# Altium PCB testjig-v1.PCBDOC (part 2 of 3)
Units mm, origin at the board's own origin, x right, y up, seen from the top; angles counter-clockwise.
Board outline 204.5 x 173.5 mm, 4 copper layers (L1, L2, L5, L6), stack 1.641 mm thick; 190 components, 128 nets, 1101 pads, 334 vias.
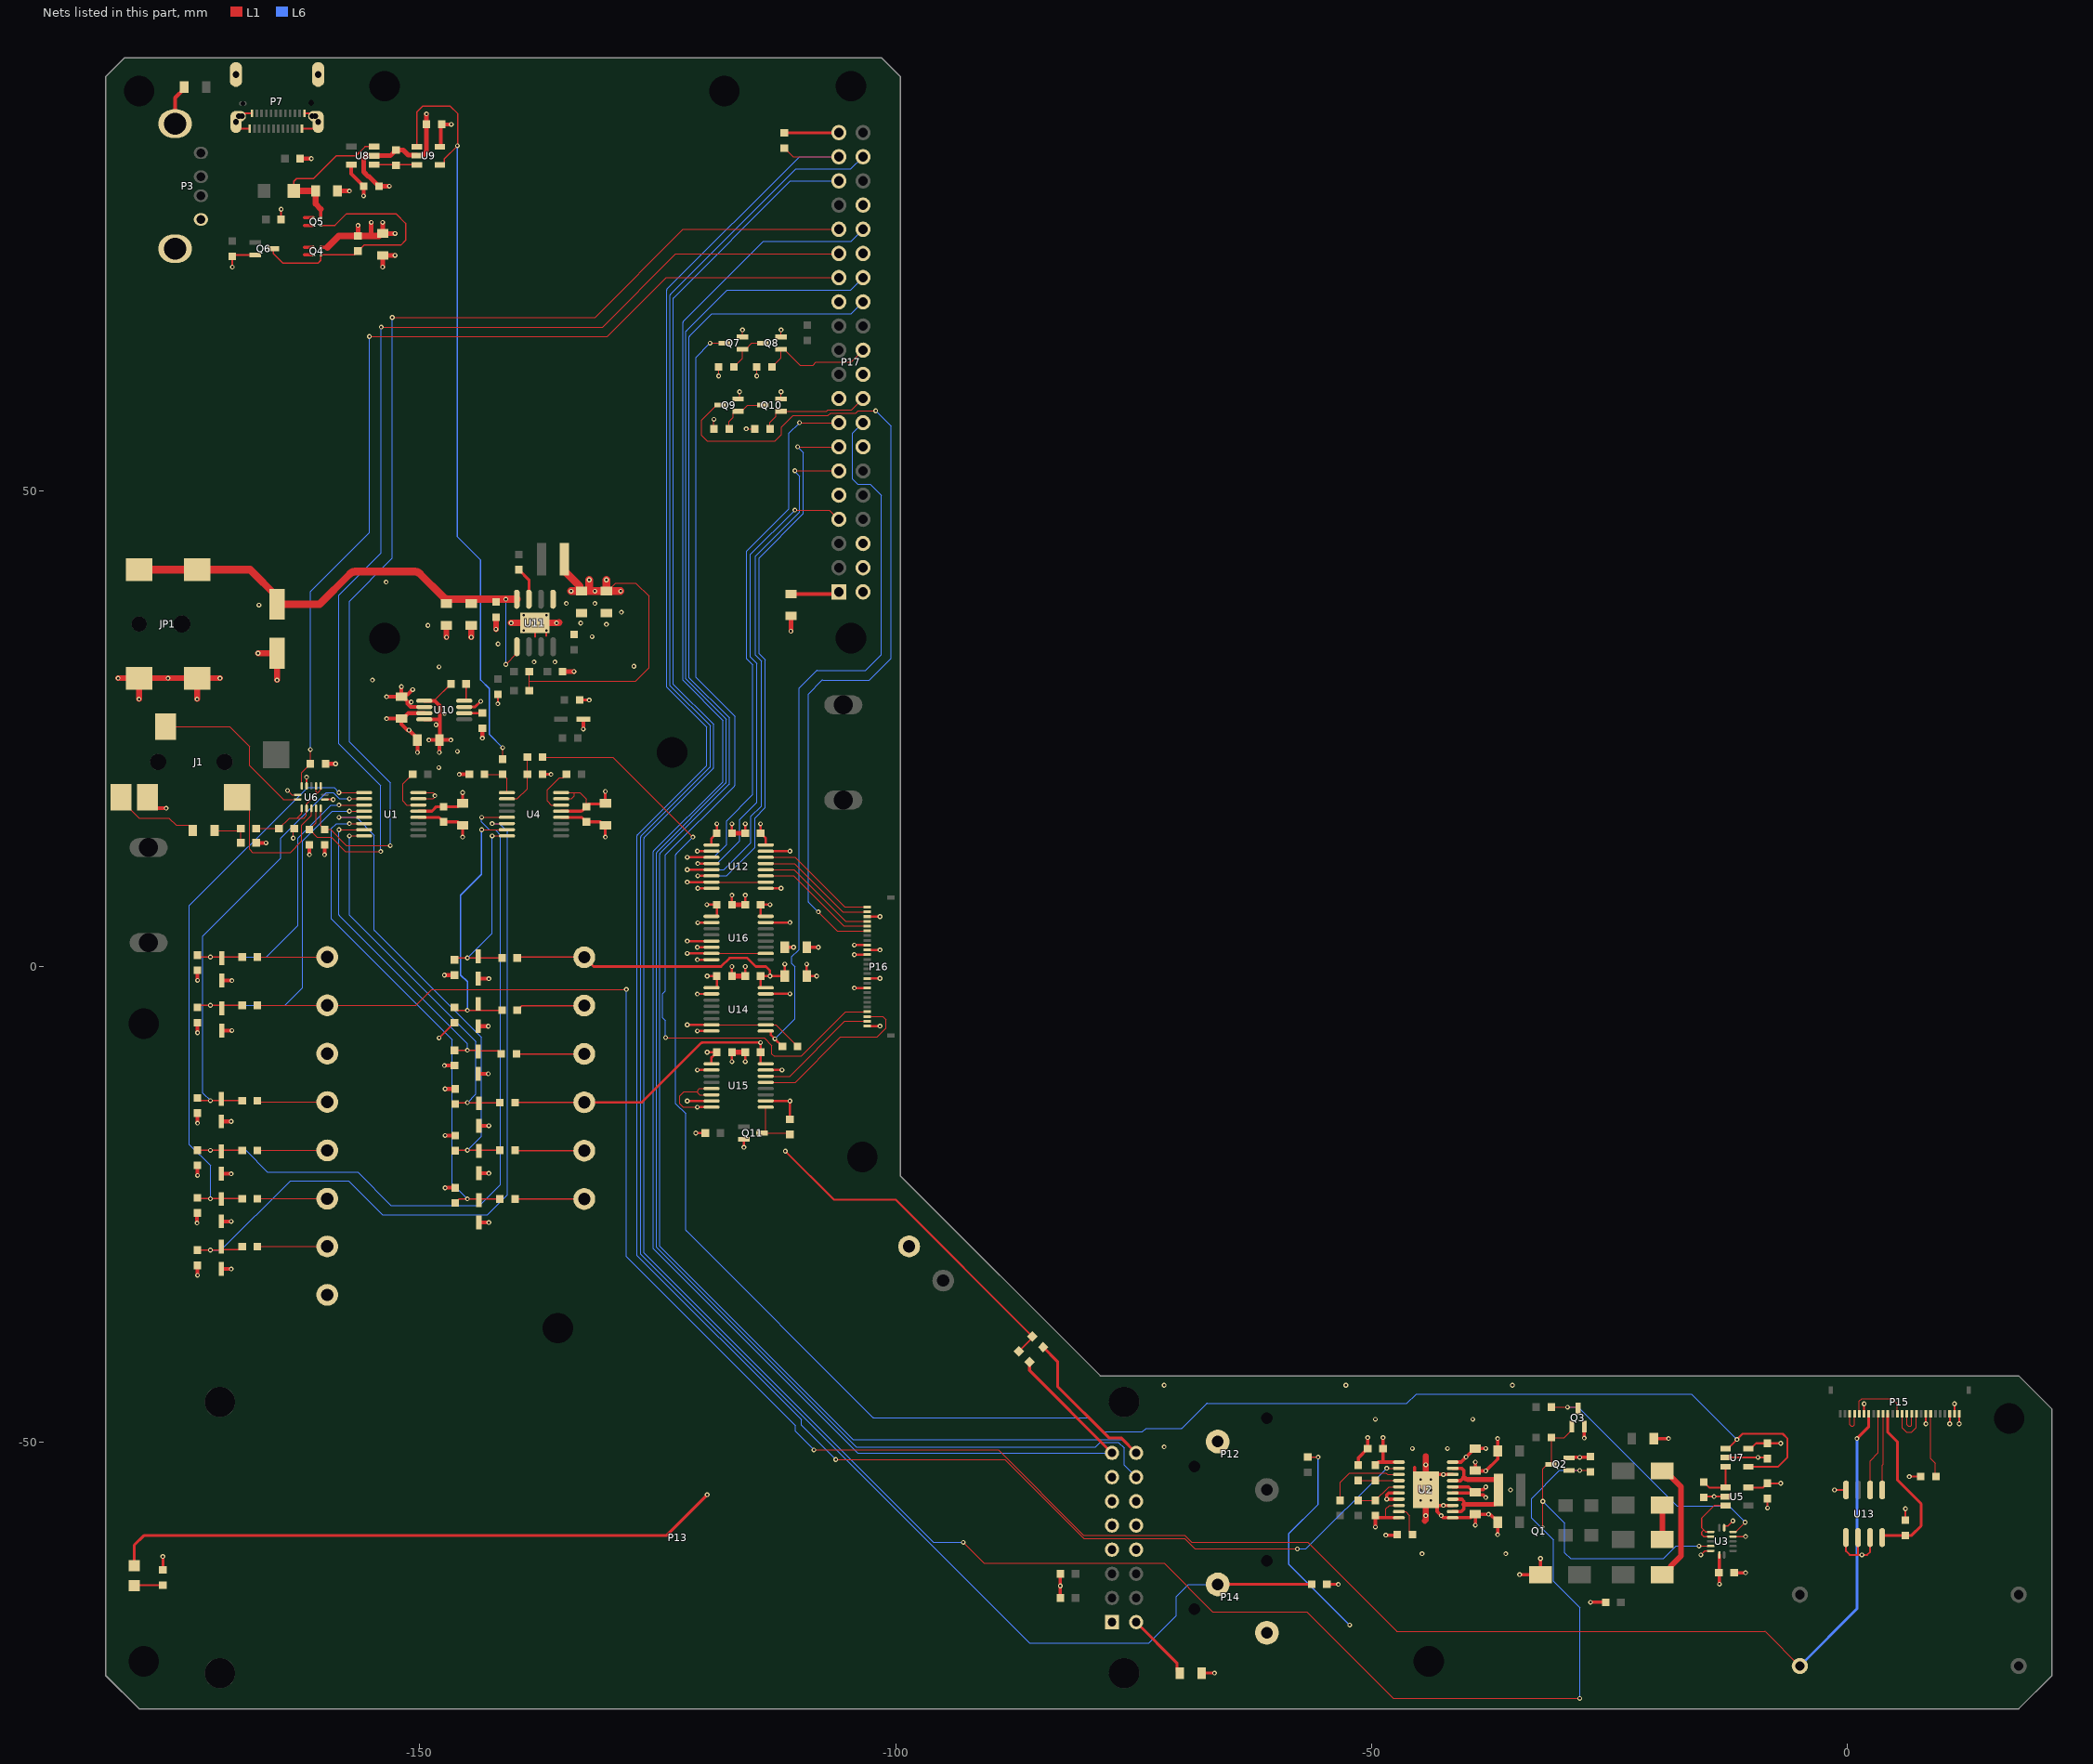
[diagram p4: the nets of this part, all layers, seen from the top]

## Via types
v1: diameter 0.5, hole 0.25, L1 to L6, tented both sides, 328 vias
v2: diameter 0.5, hole 0.25, L1 to L6, 6 vias

## Nets (pads, with @x,y where several pads share a name; then routed paths per layer and width w, separated by ;. In a path a pad name is that pad's centre, name@x,y a point inside that pad or via, vN(x,y) a via of type N, cw(c..) or ccw(c..) an arc to the next point about the centre after c; other vN are vias at no path point)
AUD_HPL: P17.29 R20.2 U6.5 | length 121
  L1 w0.12: U6.5@-160.9,16.625 -160.9,15.1 R20.2@-161.6,14.4 -160.8,13.6 -159.3,13.6 -157.8,12.1 v1(-154.1,12.1) ; v1(-154.05,67.2) -130.8,67.2 -123.1,74.9 -106,74.9 P17.29@-105.97,74.93
  L6 w0.12: v1(-154.1,12.1) -154.1,19 -158.5,23.4 -158.5,39 -154.05,43.45 v1(-154.05,67.2)
AUD_HPR: P17.27 R21.2 U6.13 | length 102.1
  L1 w0.12: U6.13@-162.4,18.975 -162.4,20.4 R21.2@-161.5,21.3 v1(-161.5,22.8) ; v1(-155.3,66.2) -130.29,66.2 -124.1,72.39 P17.27@-105.97,72.39
  L6 w0.12: v1(-161.5,22.8) -161.5,39.4 -155.3,45.6 v1(-155.3,66.2)
AUD_SPK: P17.31 R19.2 U6.6 | length 119.9
  L1 w0.12: U6.6@-160.4,16.625 -160.4,14.8 R19.2@-160,14.4 -159.4,14.4 -157.735,12.735 ccw(c-157.651,12.821) -157.651,12.701 v1(-153.1,12.7) ; v1(-152.9,68.2) -131.59,68.2 -122.32,77.47 P17.31@-105.97,77.47
  L6 w0.12: v1(-153.1,12.7) -153.1,19.3 -157.4,23.6 -157.4,38.4 -152.9,42.9 v1(-152.9,68.2)
BSIM_EN: P17.37 R71.2 U2.2 | length 232.9
  L1 w0.12: R71.2@-111.7,86 -110.79,85.09 P17.37@-105.97,85.09 ; v1(-106.3,-51.8) -88.539,-51.8 -80.239,-60.1 -69.639,-60.1 -68.539,-61.2 v1(-57.8,-61.2) ; v1(-48.4,-52.725) U2.2@-47.125,-52.725
  L6 w0.12: v1(-106.3,-51.8) -109.915,-48.185 -109.915,-47.615 -127.165,-30.365 -127.165,13.76 cw(c-127.045,13.76) -127.13,13.845 -119.87,21.105 ccw(c-119.955,21.19) -119.835,21.19 -119.835,25.146 -124.065,29.376 -124.065,71.085 cw(c-123.945,71.085) -124.03,71.17 -110.11,85.09 P17.37@-105.97,85.09 ; v1(-57.8,-61.2) -56.875,-61.2 v1(-48.4,-52.725)
BSM_DISCH: R10.1 U2.3 | length 8.6
  L1 w0.12: R10.1@-53.3,-56.1 -53.3,-54.2 -52.3,-53.2 -48.5,-53.2 -48.325,-53.375 U2.3@-47.125,-53.375
BSM_FB: R5.2 R6.1 U2.5 | length 4.9
  L1 w0.12: R6.1@-51.4,-56.1 R5.2@-49.6,-56.1 -48.175,-54.675 U2.5@-47.125,-54.675
BSM_MODE: R9.1 R12.2 U2.4 | length 4.3
  L1 w0.12: R12.2@-51.4,-54 -51.375,-54.025 U2.4@-47.125,-54.025
BSM_RT: R8.1 U2.9 | length 3.4
  L1 w0.12: U2.9@-47.125,-57.275 -46.425,-57.275 -46,-57.7 -46,-59.4 R8.1@-45.7,-59.7
BST5.0: C30.2 U11.7 | length 3.5
  L1 w0.3: C30.2@-139.6,41.7 -138.535,40.635 U11.7@-138.535,38.6
BUTTON: P14.3 P17.38 R74.1 | length 223
  L1 w0.3: P14.3@-66.16,-64.92 R74.1@-56.3,-64.92
  L6 w0.12: -119.47,21.038 cw(c-119.59,21.038) -119.505,20.954 -126.765,13.694 ccw(c-126.68,13.609) -126.8,13.609 -126.8,-30.214 -85.914,-71.1 -73.4,-71.1 -70.5,-68.2 -70.5,-66.2 -69.22,-64.92 P14.3@-66.16,-64.92 ; -119.47,21.038 -119.47,25.297 -123.7,29.527 -123.7,70.55 cw(c-123.58,70.55) -123.665,70.635 -110.5,83.8 -104.72,83.8 P17.38@-103.43,85.09
CHG_TS: P15.20 R65.2 | length 6.8
  L1 w0.12: P15.20@8.75,-47 8.75,-51.7 9.25,-52.2 9.25,-53.55 R65.2@9.3,-53.6
CRESET_3V: Q7.1 Q8.3 R63.1 | length 4.6
  L1 w0.12: R63.1@-117,63 -116.1,63.9 Q7.1@-116.1,64.85 -115.75,64.85 -115.1,65.5 Q8.3@-113.95,65.5
CRESET_B: P16.23 Q7.3 | length 104.5
  L1 w0.12: v1(-124.175,-7.465) -124.14,-7.5 -113.8,-7.5 -113,-8.3 -113,-9.2 -112.8,-9.4 -109.9,-9.4 -105.25,-4.75 P16.23@-103,-4.75 ; v1(-119.5,65.5) Q7.3@-118,65.5
  L6 w0.12: v1(-124.175,-7.465) -124.175,-5.7 -124.5,-5.375 -124.5,-2.875 -124.175,-2.55 -124.175,11.719 -116.935,18.959 ccw(c-117.02,19.043) -116.9,19.043 -116.9,26.3 -121,30.4 -121,64 v1(-119.5,65.5)
CRESET_N_3V: P17.22 Q8.1 R64.1 | length 12.2
  L1 w0.12: R64.1@-113,63 -112.05,63.95 Q8.1@-112.05,64.85 -111.7,64.85 -110.05,63.2 -108.7,63.2 -108.4,63.5 -104.7,63.5 P17.22@-103.43,64.77
DRV_UP5K_N: P17.16 R68.1 U14.9 | length 77.8
  L1 w0.25: U14.9@-113.65,-6.775 -113.146,-6.775 -113.1,-6.821 -113.1,-7.2 v1(-112.7,-7.6) R68.1@-111.9,-8.4
  L6 w0.12: v1(-112.7,-7.6) -110.6,-5.5 -110.6,0 -110.9,0.3 -110.9,1.05 -110.2,1.75 -110.2,29.15 cw(c-110.08,29.15) -110.165,29.235 -108.335,31.065 cw(c-108.25,30.98) -108.251,31.1 ; -108.25,31.1 -103.176,31.1 -101.5,32.776 -101.5,49.53 -102.67,50.7 -104,50.7 -104.52,51.22 -104.52,56.06 P17.16@-103.43,57.15
F_UART_RX: P16.25 U15.14 | length 13
  L1 w0.12: U15.14@-113.65,-11.525 -111.125,-11.525 -105.35,-5.75 P16.25@-103,-5.75
F_UART_TX: P16.24 U15.13 | length 18
  L1 w0.12: U15.13@-113.65,-12.175 -110.55,-12.175 -105.775,-7.4 -101.925,-7.4 -101,-6.475 -101,-5.6 -101.35,-5.25 P16.24@-103,-5.25
GND: C1.2 C2.2 C3.2 C4.2 C5.2 C6.2 C7.1 C8.2 C9.2 C10.2 C11.2 C12.2 C14.2 C15.1 C16.1 C17.1 C18.2 C19.2 C20.2 C22.2 C23.1 C24.1 C25.2 C26.2 C27.2 C29.1 C31.2 C32.2 C33.2 C34.2 C35.2 C36.2 C37.2 C38.2 C39.2 C40.2 C41.2 C42.2 C43.2 C44.2 C45.2 C46.2 C47.2 C48.2 J1.5 JP1.2 JP1.3 P1.2 P3.0 P3.4 P4.1 P6.2 P7.0 P7.A1 P7.A12 P7.B1 P7.B12 P12.3 P13.1 P13.7 P13.8 P13.9 P13.10 P13.11 P13.12 P13.13 P15.6 P15.19 P15.24 P15.25 P15.26 P16.3 P16.10 P16.11 P16.16 P16.26 P17.6 P17.9 P17.14 P17.20 P17.25 P17.30 P17.34 P17.39 Q2.2 Q3.2 Q6.2 Q7.2 Q8.2 Q9.2 Q10.2 Q11.2 R4.2 R5.1 R8.2 R11.1 R12.1 R16.2 R17.1 R19.1 R20.1 R21.1 R23.2 R25.2 R28.2 R30.2 R31.2 R34.2 R36.2 R37.1 R39.2 R41.2 R42.2 R44.2 R46.2 R47.1 R50.2 R52.2 R55.2 R57.1 R58.2 R65.1 R71.1 R74.2 R75.1 R76.1 U1.4 U1.7 U1.8 U2.8 U2.10 U2.11 U2.13 U2.18 U2.21 U3.5 U3.7 U3.13 U4.4 U5.2 U6.7 U6.12 U7.2 U8.2 U9.2 U10.3 U11.5 U11.9 U12.2 U12.8 U12.9 U13.4 U13.5 U13.6 U13.7 U14.8 U14.15 U15.5 U15.6 U15.8 U15.15 U16.5 U16.6 U16.8 U16.15 | length 269.4
  L1 w0.12: U1.7@-150.15,17.625 -148.6,17.625 -148.425,17.8 -148.425,18.1 -148.6,18.275 U1.8@-150.15,18.275 ; v1(-120.846,-14.775) -122.325,-14.775 -122.7,-14.4 -122.7,-13.6 -122.237,-13.137 -120.8,-13.137 ; U15.6@-119.35,-13.475 -120.6,-13.475 -120.8,-13.275 -120.8,-13.137 ; U15.5@-119.35,-12.825 -120.625,-12.825 -120.8,-13 -120.8,-13.137 ; Q9.2@-116.55,59.65 -116.4,59.8 v1(-116.4,60.4) ; Q7.2@-116.1,66.15 v1(-116.1,66.9) ; Q10.2@-112.05,59.65 v1(-112.05,60.4) ; Q8.2@-112.05,66.15 v1(-112.05,66.9) ; -48.5,-57.925 -48.5,-57 -48.125,-56.625 U2.8@-47.125,-56.625
  L1 w0.15: v1(-15.4,-61.825) -14.975,-61.4 U3.13@-14.375,-61.4 ; U3.7@-12.95,-58.975 -12.95,-58.821 -12.904,-58.775 -12.55,-58.775 v1(-12.025,-58.25) ; U3.5@-12.025,-59.9 v1(-10.7,-59.9)
  L1 w0.2: v1(-169.7,73.5) R37.1@-169.7,74.63 -169.55,74.78 Q6.2@-167.3,74.78 ; P7.0@-169.32,88.75 -169.32,88.512 -168.858,88.05 P7.A12@-167.875,88.05 ; P7.0@-168.67,89.35 -168.37,89.65 P7.B1@-167.625,89.65 ; v1@-164.6,79.6 v1(-164.575,79.575) R31.2@-164.575,78.5 ; P7.A1@-162.375,88.05 -161.142,88.05 -160.68,88.512 P7.0@-160.68,88.75 ; P7.B12@-162.125,89.65 -161.05,89.65 -161,89.6 P7.0@-161,89.35 ; U6.12@-161.9,18.975 v1(-161.9,19.9) ; U6.7@-159.975,17.55 v1(-159.1,17.55) ; v1(-147.975,-7.5) -147.96,-7.5 R52.2@-146.36,-5.9 ; v1@-141.815,27.6 v1(-141.8,27.615) R57.1@-141.8,28.6 ; U11.9@-139.1,35.125 -138.125,36.1 v1(-137.9,36.1) -137.9,34.675 ; v1(-136.7,35.3) -136.695,35.295 -136.695,34.771 ; v1(-115.95,-19) Q11.2@-115.95,-18.15 ; R16.2@-15.1,-55.775 -15.025,-55.7 U5.2@-12.8,-55.7 ; U7.2@-12.8,-51.6 -8.5,-51.6 C11.2@-8.4,-51.7 ; v1(-8.4,-56.9) C12.2@-8.4,-55.9 ; v1(-1.355,-55) U13.4@-0.155,-55 ; U13.5@-0.155,-60 -0.155,-61.42 0.25,-61.825 1.155,-61.825 ; U13.6@1.115,-60 1.115,-61.785 1.155,-61.825 ; P15.6@1.75,-47 v1(1.75,-45.95) ; U13.7@2.385,-60 2.385,-61.5 2.06,-61.825 1.155,-61.825 ; C37.2@6.1,-58.175 v1(6.1,-56.975) ; v1(6.5,-53.6) R65.1@7.7,-53.6 ; v1(8.25,-48.05) P15.19@8.25,-47 ; v1(10.75,-48.05) P15.24@10.75,-47 ; P15.25@11.25,-47 v1(11.25,-45.95) ; v1(11.75,-48.05) P15.26@11.75,-47
  L1 w0.25: v1(-121.9,2.675) U16.5@-119.35,2.675 ; v1(-120.846,-14.775) U15.8@-119.846,-14.775 ; v1(-120.846,-6.775) U14.8@-119.846,-6.775 ; v1(-120.846,0.725) U16.8@-119.846,0.725 ; v1(-120.846,2.025) U16.6@-119.846,2.025 ; v1(-120.846,12.125) U12.2@-119.35,12.125 ; v1(-120.8,8.225) U12.8@-119.8,8.225 ; v1(-117.2,-10) C39.2@-117.2,-9 ; C40.2@-117.2,-1 v1(-117.2,0) ; C41.2@-117.2,6.5 v1(-117.2,7.5) ; C42.2@-117.2,14 v1(-117.2,15) ; v1(-115.8,-10) C46.2@-115.8,-9 ; C45.2@-115.8,-1 v1(-115.8,0) ; C44.2@-115.8,6.5 v1(-115.8,7.5) ; C47.2@-115.8,14 v1(-115.8,15) ; U14.15@-113.65,-2.875 v1(-111.1,-2.875) ; U16.15@-113.65,4.625 v1(-111.1,4.625) ; U12.9@-113.4,8.225 v1(-112.05,8.225) ; U15.15@-113.3,-10.875 v1(-111.95,-10.875) ; v1(-109.35,0.25) C35.2@-109.35,-1 v1(-108.3,-1) ; v1(-104.35,1.25) P16.11@-103,1.25 ; P16.26@-103,-6.25 v1(-101.65,-6.25) ; P16.16@-103,-1.25 v1(-101.65,-1.25) ; P16.10@-103,1.75 v1(-101.65,1.75) ; P16.3@-103,5.25 v1(-101.65,5.25)
  L1 w0.3: R58.2@-177,-63.4 v1(-177,-62) ; U1.4@-150.15,15.675 -147.975,15.675 C1.2@-147.5,15.2 -146,15.2 -145.65,14.85 C10.2@-145.5,14.85 v1(-145.5,13.6) ; C14.2@-137.1,20.2 v1(-136.225,20.2) ; U4.4@-135.15,15.675 -132.975,15.675 C9.2@-132.5,15.2 -131,15.2 -130.65,14.85 C2.2@-130.5,14.85 v1(-130.5,13.6) ; R25.2@-133.2,28 v1(-132.2,28) ; R71.1@-111.7,87.6 -111.685,87.615 -105.985,87.615 P17.39@-105.97,87.63 ; C36.2@-109.35,2.025 v1(-108.135,2.025) ; C48.2@-67.85,-74.25 v1(-66.5,-74.25) ; R74.2@-54.7,-64.92 v1(-53.5,-64.92)
  L1 w0.35: R76.1@-82.7,-66.35 R75.1@-82.7,-63.81 ; R12.1@-51.4,-52.4 -51.4,-51.65 C43.2@-50.4,-50.65 v1(-50.4,-49.5) ; v1(-49.6,-58.9) R5.1@-49.6,-57.7 -49.375,-57.925 -48.5,-57.925 U2.10@-47.125,-57.925 ; v1(-48.5,-59.75) -47.35,-59.75 R8.2@-47.3,-59.7 ; U2.21@-45.495,-56.625 -44.3,-55.43 U2.21@-44.3,-55 ; -45.495,-52.647 -45.495,-53.805 U2.21@-44.3,-55 ; U2.21@-43.69,-56.04 U2.21@-43.105,-56.625 ; U2.13@-41.475,-56.625 v1(-42.455,-56.625) U2.21@-43.105,-56.625 ; U2.18@-41.475,-53.375 v1(-42.455,-53.375) -43.105,-53.375 -44.3,-54.57 U2.21@-44.3,-55 ; v1(-39.1,-58.7) C3.2@-39.1,-57.55 ; v1(-39.1,-52.075) C4.2@-39.1,-52.95 -39.05,-53 v1(-38,-53) -36.75,-51.75 C5.2@-36.75,-50.9 v1(-36.75,-49.6) ; C6.2@-36.85,-58.4 -36.85,-58.25 -37.55,-57.55 v1(-37.7,-57.55) C3.2@-39.1,-57.55 ; v1(-36.75,-59.7) C6.2@-36.75,-58.4 ; Q2.2@-29.25,-51.65 -29.175,-51.575 v1(-28.125,-51.575) -27.075,-51.575 R11.1@-27,-51.5 ; v1(-27.65,-49.55) Q3.2@-27.65,-48.35 ; v1(-27,-66.8) R4.2@-25.4,-66.8 ; C7.1@-20.35,-49.6 v1(-18.8,-49.6) ; C8.2@-11.9,-63.7 v1(-10.7,-63.7) ; U2.21@-44.3,-55 -43.105,-56.195 U2.21@-43.105,-56.625 ; U2.21@-43.105,-56.625 -43.105,-57.275 v1(-42.68,-57.7) -42.455,-57.925 U2.11@-41.475,-57.925 -39.625,-57.925 -39.25,-57.55 C3.2@-39.1,-57.55
  L1 w0.4: J1.5@-177.7,16.625 v1(-176.65,16.625) ; P3.0@-175.71,88.57 -175.71,91.29 -174.75,92.25 C15.1@-174.75,92.4 ; v1(-173.4,-26.95) R28.2@-173.4,-25.9 ; v1(-173.36,-32.45) R55.2@-173.36,-31.4 ; v1(-173.36,-21.95) R23.2@-173.36,-20.9 ; v1(-173.36,-16.45) R34.2@-173.36,-15.4 ; v1(-173.36,-6.95) R44.2@-173.36,-5.9 ; v1(-173.36,-1.45) R39.2@-173.36,-0.4 ; R17.1@-167.2,13 v1(-166.15,13) ; R47.1@-162.575,84.9 v1(-161.4,84.9) ; v1(-161.6,11.75) R20.1@-161.6,12.8 ; v1(-160,11.75) R19.1@-160,12.8 ; R21.1@-159.9,21.3 v1(-158.85,21.3) ; v1(-153.5,26.05) C26.2@-151.93,26.05 ; v1(-150.25,22.5) C27.2@-150.25,23.8 -150.25,23.95 v1(-151.14,24.84) -151.29,24.84 -151.93,25.48 C26.2@-151.93,26.05 ; U10.3@-149.53,26.625 -151.205,26.625 -151.78,26.05 C26.2@-151.93,26.05 ; v1(-147.41,-10.4) R36.2@-146.36,-10.4 ; v1(-147.41,-0.9) R46.2@-146.36,-0.9 ; v1(-147.34,-23.25) R30.2@-146.29,-23.25 ; v1(-147.34,-17.75) R50.2@-146.29,-17.75 ; v1(-147.34,-12.86) R41.2@-146.29,-12.86 ; v1(-145.85,20.2) C20.2@-144.8,20.2 ; v1(-143.43,24) C29.1@-143.43,25.05
  L1 w0.5: C17.1@-158.65,81.5 v1(-157.4,81.5) ; v1(-153.9,73.5) C16.1@-153.9,74.73 v1(-152.6,74.73) ; v1(-153.2,82) C19.2@-154.3,82 -155.3,83 -155.4,83 -155.9,83.5 -155.9,84.9 -155.6,85.2 U8.2@-154.8,85.2 -153.1,85.2 R42.2@-152.5,85.8 -151.75,85.8 -151.2,85.25 -150.35,85.25 U9.2@-150.3,85.2 -149.7,85.2 -149.3,85.6 C18.2@-149.3,88.5 v1(-149.3,89.6) ; C34.2@-135,31 v1(-133.8,31) ; C39.2@-117.2,-9 C46.2@-115.8,-9 ; C40.2@-117.2,-1 C45.2@-115.8,-1 ; C41.2@-117.2,6.5 C44.2@-115.8,6.5 ; C42.2@-117.2,14 C47.2@-115.8,14 ; v1(-111,35.238) C38.2@-111,36.85
  L1 w0.6: v1(-181.7,30.3) JP1.2@-179.5,30.3 ; v1(-179.5,28.1) JP1.2@-179.5,30.3 ; v1(-173.4,28.1) JP1.3@-173.4,30.3 ; v1(-171,30.3) JP1.3@-173.4,30.3 ; v1(-167,32.925) C22.2@-165,32.925 v1(-165,30.1) ; v1(-147.2,34.6) C23.1@-147.2,35.85 ; v1(-144.6,34.6) C24.1@-144.6,35.85 ; v1(-142,35.45) C25.2@-142,36.7 ; -44.406,-58.25 -44.3,-58.144 U2.21@-44.3,-55.43 ; U2.21@-44.3,-54.57 -44.3,-51.438 ; JP1.2@-179.5,30.3 JP1.3@-173.4,30.3
  L1 w0.7: v1(-140.4,36.1) U11.9@-138.125,36.1 ; v1(-137.9,36.1) -135.422,36.1 -135.372,36.15
  other v1: -82.7,-65.08 1.52,-61.825 -44.7,-61.7 -35.9,-61.7 -44.3,-57.7 -14.012,-55.7 -35.4,-55 -44.3,-52.35 -9.4,-51.575 -45.7,-50.65 -42.024,-50.65 -71.8,-50.48 -49.6,-47.58 -39.356,-47.58 -71.8,-44 -52.7,-44 -35.2,-44 -148.425,17.95 -154.982,30.1 -176.45,30.3 -147.975,31.49 -127.5,31.55 -138,32 -135.798,32 -141.788,33.9 -131.9,34.66 -139.1,35.3 -149.15,35.85 -130.4,35.956 -133.099,36.087 -135.635,36.1 -139.1,36.9 -136.7,36.9 -128.819,37.232 -166.9,37.988 -134.6,38.15 -131.6,38.15 -153.537,40.4
  other v2: -44.85,-56.1 -43.75,-56.1 -44.85,-55 -43.75,-55 -44.85,-53.9 -43.75,-53.9
HP_LEFT: J1.1 U6.4 | length 16
  L1 w0.12: J1.1@-169.2,17.8 -167.9,16.5 -167.9,12.3 -167.6,12 -163.6,12 -162.4,13.2 -162.4,14.875 -161.4,15.875 U6.4@-161.4,16.625
HP_MIC: C13.2 J1.4 | length 9.3
  L1 w0.12: J1.4@-181.4,17.8 -181.4,17.5 -179.5,15.6 -176.36,15.6 -175.6,14.84 -174.24,14.84 -173.85,14.45 C13.2@-173.85,14.3
HP_RIGHT: J1.3 U6.1 | length 18.2
  L1 w0.12: J1.3@-176.7,25.2 -170,25.2 -167.9,23.1 -167.9,21.1 -164.385,17.585 ccw(c-164.3,17.67) -164.301,17.55 U6.1@-162.825,17.55
I2C0_SCL: P15.9 U13.2 | length 8.4
  L1 w0.12: U13.2@2.385,-55 2.385,-51.94 3.25,-51.075 P15.9@3.25,-47
I2C0_SDA: P15.10 U13.1 | length 8
  L1 w0.12: U13.1@3.655,-55 3.655,-52.4 3.75,-52.305 P15.10@3.75,-47
I5V_BUF: R48.1 U9.1 U9.4 | length 81.2
  L1 w0.12: R48.1@-141.3,21.8 v1(-141.3,23)
  L1 w0.15: U9.1@-150.3,86.15 -150.3,89.81 -149.7,90.41 -146.81,90.41 -146,89.6 -146,86.3 v1(-146.05,86.25) -147.425,84.875 -147.425,84.475 -147.65,84.25 U9.4@-147.9,84.25
  L6 w0.15: v1(-146.05,86.25) -146.05,45.15 -143.6,42.7 -143.6,30.1 -142.7,29.2 -142.7,24.4 v1(-141.3,23)
I5V_SENSE: R42.1 U8.1 U9.3 | length 4.5
  L1 w0.15: U8.1@-154.8,84.25 U9.3@-150.3,84.25
IBAT_ADC: C14.1 R18.2 U4.10 | length 5.9
  L1 w0.12: U4.10@-140.85,17.625 -139.75,17.625 -138.7,18.675 C14.1@-138.7,20.2 R18.2@-138.7,22
IBAT_BUF: R18.1 U7.1 U7.4 | length 198.4
  L1 w0.12: R18.1@-137.1,22 -129.7,22 v1(-121.3,13.6)
  L1 w0.2: U7.1@-12.8,-50.65 -12.55,-50.65 -11,-49.1 -6.8,-49.1 -6.3,-49.6 -6.3,-51.575 -7.275,-52.55 U7.4@-10.4,-52.55
  L6 w0.12: v1(-121.3,13.6) -123.065,11.835 ccw(c-122.98,11.75) -123.1,11.75 -123.1,-14.4 -122.05,-15.45 -122.05,-27.676 ccw(c-121.93,-27.675) -122.016,-27.759 -102.409,-47.366 ccw(c-102.325,-47.28) -102.326,-47.4 -79.75,-47.4 cw(c-79.75,-47.52) -79.665,-47.435 -78.2,-48.9 -74.07,-48.9 -73.7,-48.53 -69.979,-48.53 ccw(c-69.979,-48.41) -69.895,-48.495 -67.335,-45.935 cw(c-67.25,-46.02) -67.25,-45.9 -46.3,-45.9 -45.3,-44.9 -16.4,-44.9 v1(-11.6,-49.7)
IBAT_SENSE: R16.1 U5.1 U7.3 | length 4.7
  L1 w0.2: R16.1@-15.1,-54.175 -14.525,-54.75 U5.1@-12.8,-54.75 U7.3@-12.8,-52.55
ISENSE_HI: P17.35 Q2.1 R11.2 | length 277
  L1 w0.12: v1(-92.9,-60.5) -90.7,-62.7 -71.8,-62.7 -66.7,-67.8 -56.8,-67.8 -47.7,-76.9 v1(-28.125,-76.9) ; Q2.1@-29.25,-52.95 v1(-28.125,-52.95) -27.15,-52.95 R11.2@-27,-53.1
  L6 w0.12: -119.135,20.899 cw(c-119.255,20.9) -119.17,20.815 -126.43,13.555 ccw(c-126.345,13.47) -126.465,13.47 -126.465,-30.075 -96.04,-60.5 v1(-92.9,-60.5) ; -119.135,20.9 -119.135,25.436 -123.365,29.666 -123.365,70.185 cw(c-123.245,70.185) -123.33,70.27 -111.05,82.55 P17.35@-105.97,82.55 ; v1(-28.125,-76.9) -28.125,-67.375 -30.9,-64.6 -30.9,-60.25 -33.2,-57.95 -33.2,-55.9 -30.25,-52.95 v1(-28.125,-52.95)
ISENSE_OFF: Q1.1 Q2.3 Q3.1 R7.2 U3.12 | length 35.3
  L1 w0.12: Q1.1@-32,-58.9 -32,-52.8 -31.5,-52.3 Q2.3@-31.15,-52.3 -31.1,-52.25 R7.2@-31.1,-49.5 -29.75,-49.5 -28.95,-48.7 Q3.1@-28.95,-48.35 ; v1(-15.6,-60.9) U3.12@-14.375,-60.9
  L6 w0.12: v1(-32,-56.2) -29.7,-58.5 -29.7,-61.6 -29.1,-62.2 -19.3,-62.2 -18,-60.9 v1(-15.6,-60.9)
ISENSE_ON: Q3.3 R13.2 U3.6 | length 28.3
  L1 w0.12: R13.2@-31.1,-46.3 v1(-29.4,-46.3) -28.45,-46.3 Q3.3@-28.3,-46.45 ; U3.6@-12.025,-59.4 -11.75,-59.4 v1(-10.75,-58.4) v1@-10.7,-58.4
  L6 w0.12: v1(-29.4,-46.3) -28.3,-46.3 -17.9,-56.7 -12.45,-56.7 v1(-10.75,-58.4)
IVBUS_ADC: C20.1 R48.2 U4.9 | length 4
  L1 w0.12: C20.1@-143.2,20.2 R48.2@-141.3,20.2 -140.85,19.75 U4.9@-140.85,18.275
JTAG_TCK: P16.2 U12.13 | length 12.8
  L1 w0.12: U12.13@-113.65,10.825 -110.65,10.825 -105.575,5.75 P16.2@-103,5.75
JTAG_TCK_3V: P17.7 U12.4 | length 49.1
  L1 w0.12: v1(-110.6,47.97) -106.95,47.97 P17.7@-105.97,46.99
  L1 w0.25: v1(-120.8,10.825) U12.4@-119.8,10.825
  L6 w0.12: v1(-120.8,10.825) -118.775,10.825 -116.4,13.2 -116.4,15.466 -114.6,17.266 -114.6,31.862 -115.25,32.512 -115.25,43.32 v1(-110.6,47.97)
JTAG_TDI: P16.5 U12.11 | length 12.8
  L1 w0.12: U12.11@-113.65,9.525 -110.725,9.525 -105.45,4.25 P16.5@-103,4.25
JTAG_TDI_3V: P17.13 U12.6 | length 57.6
  L1 w0.12: v1(-110.3,54.61) P17.13@-105.97,54.61
  L1 w0.25: v1(-120.8,9.525) U12.6@-119.8,9.525
  L6 w0.12: v1(-120.8,9.525) -117.775,9.525 -114.8,12.5 -114.8,15.6 -113.7,16.7 -113.7,32.234 -114.35,32.884 -114.35,42.947 -109.7,47.597 -109.7,54.01 v1(-110.3,54.61)
JTAG_TDO: P16.1 U12.14 | length 12.8
  L1 w0.12: U12.14@-113.65,11.475 -110.6,11.475 -105.375,6.25 P16.1@-103,6.25
JTAG_TDO_3V: P17.15 U12.3 | length 59.4
  L1 w0.12: v1(-110.1,57.15) -110.05,57.15 -110,57.2 -109.95,57.15 P17.15@-105.97,57.15
  L1 w0.25: v1(-121.9,11.475) U12.3@-119.35,11.475
  L6 w0.12: v1(-121.9,11.475) -119.125,11.475 -117.775,12.825 -117.775,15.291 -115,18.066 -115,31.696 -115.65,32.346 -115.65,43.663 -111.2,48.113 -111.2,56.05 v1(-110.1,57.15)
JTAG_TMS: P16.4 U12.12 | length 12.9
  L1 w0.12: U12.12@-113.65,10.175 -110.675,10.175 -105.25,4.75 P16.4@-103,4.75
JTAG_TMS_3V: P17.11 U12.5 | length 57.1
  L1 w0.12: v1(-110.6,52.1) -110.585,52.085 -105.985,52.085 P17.11@-105.97,52.07
  L1 w0.25: v1(-121.9,10.175) U12.5@-119.35,10.175
  L6 w0.12: v1(-121.9,10.175) -118.025,10.175 -115.2,13 -115.2,15.766 -114.1,16.866 -114.1,32.069 -114.75,32.719 -114.75,43.113 -110.1,47.763 -110.1,51.5 v1@-110.7,52.1
LDOA_CC: C29.2 U10.6 | length 1.9
  L1 w0.2: U10.6@-145.33,26.625 -143.455,26.625 C29.2@-143.43,26.65
MICIN+: C13.1 R15.1 R17.2 | length 4.3
  L1 w0.12: C13.1@-171.55,14.3 -169,14.3 R15.1@-168.8,14.5 R17.2@-168.8,13
NetD1_1: D1.1 D2.2 | length 3.6
  L1 w0.6: D1.1@-19.45,-60.2 D2.2@-19.45,-56.6
NetD3_2: D3.2 D4.1 | length 12.9
  L1 w0.6: D3.2@-19.45,-63.9 -19.15,-63.9 -18.55,-63.3 -18.55,-63 -17.5,-61.95 -17.5,-54.65 -19.15,-53 D4.1@-19.45,-53
NetD19_2: D19.2 R58.1 | length 3
  L1 w0.2: D19.2@-180,-65.05 -179.95,-65 R58.1@-177,-65
NetL1_1: L1.1 U2.12 U2.14 U2.17 U2.19 | length 16.1
  L1 w0.35: U2.12@-41.475,-57.275 -40.575,-57.275 -40.3,-57 -40.3,-56.5 -40.3,-56.2 -40.525,-55.975 U2.14@-41.475,-55.975 ; U2.17@-41.475,-54.025 -40.65,-54.025 -40.3,-53.675 -40.3,-52.95 -40.525,-52.725 U2.19@-41.475,-52.725
  L1 w0.5: -40.3,-56.5 -37.183,-56.5 ccw(c-37.185,-56) -36.685,-56 L1.1@-36.685,-55 -36.685,-54.4 ccw(c-37.185,-54.4) -37.185,-53.9 -39.868,-53.9 cw(c-39.868,-53.4) -40.221,-53.754 -40.3,-53.675
NetP15_3: P15.3 P15.4 | length 2.9
  L1 w0.12: P15.3@0.25,-47 0.25,-48.15 0.4,-48.3 0.6,-48.3 0.75,-48.15 P15.4@0.75,-47
NetP15_5: P15.5 P15.13 | length 6.7
  L1 w0.12: P15.5@1.25,-47 1.25,-45.65 1.5,-45.4 4.7,-45.4 5.25,-45.95 P15.13@5.25,-47
NetP15_14: P15.14 P15.17 | length 4.8
  L1 w0.12: P15.14@5.75,-47 5.75,-48.5 6.2,-48.95 6.75,-48.95 7.25,-48.45 P15.17@7.25,-47
NetP15_15: P15.15 P15.16 | length 3
  L1 w0.12: P15.15@6.25,-47 6.25,-48.15 6.4,-48.3 6.65,-48.3 6.75,-48.2 P15.16@6.75,-47
NetQ4_1: Q4.1 Q5.1 Q6.3 R32.1 | length 27.8
  L1 w0.15: Q6.3@-165.4,75.43 -165.4,74.925 -164.375,73.9 -160.7,73.9 -160.4,74.2 Q4.1@-160.4,74.78 -156.9,74.78 R32.1@-156.5,75.18 -155.88,75.8 -152,75.8 -151.5,76.3 -151.5,78.1 -152.5,79.1 -157.7,79.1 -158.92,77.88 Q5.1@-160.4,77.88
NetQ4_2: Q4.2 Q4.3 Q5.2 Q5.3 | length 3.7
  L1 w0.35: -162.125,74.78 Q4.2@-161.2,74.78 ; -162.125,75.58 Q4.3@-161.2,75.58 ; -162.125,77.88 Q5.2@-161.2,77.88 ; -162.125,78.68 Q5.3@-161.2,78.68
NetQ11_3: Q11.3 R72.1 U15.9 | length 5.8
  L1 w0.12: Q11.3@-114.05,-17.5 Q11.3@-113.84,-17.5 ; U15.9@-113.65,-14.775 -113.65,-17.31 Q11.3@-113.84,-17.5 ; R72.1@-111.125,-17.65 -111.275,-17.5 Q11.3@-113.84,-17.5
NetR14_1: R14.1 R15.2 U6.2 U6.3 U6.9 U6.10 | length 11.6
  L1 w0.12: R15.2@-167.2,14.5 R14.1@-164.8,14.5 -163.7,15.6 -162.9,15.6 ; U6.2@-162.4,16.625 -162.4,16.1 -162.9,15.6 ; U6.10@-160.9,18.975 -160.9,18.375 -160.8,18.275 ; U6.9@-160.4,18.975 -160.4,18.565 -161.9,17.065 U6.3@-161.9,16.625 -161.9,15.875 -162.175,15.6 -162.9,15.6
NetR56_1: R56.1 U1.6 | length 5.1
  L1 w0.12: R56.1@-150.75,20.2 -151.42,19.53 -151.45,19.53 -151.78,19.2 -151.78,17.38 -151.375,16.975 U1.6@-150.15,16.975
NetR59_1: R59.1 U4.6 | length 5.5
  L1 w0.12: U4.6@-135.15,16.975 -136.195,16.975 -136.6,17.38 -136.6,18.565 -135.305,19.86 -134.94,19.86 R59.1@-134.6,20.2
NetR62_1: R62.1 U10.8 | length 1.9
  L1 w0.15: U10.8@-145.33,27.925 -145.269,27.925 -145.13,28.064 R62.1@-145.13,29.7
NetU3_9: U3.9 U3.10 U5.3 | length 6.8
  L1 w0.15: U3.10@-14.375,-59.9 -15.1,-59.9 -15.3,-59.7 -15.3,-59.4 -15.1,-59.2 ; U3.9@-14.375,-59.4 -14.9,-59.4 -15.1,-59.2 ; U5.3@-12.8,-56.65 -14.012,-56.65 -15.3,-57.938 -15.3,-59 -15.1,-59.2
OLED_CS_N: P13.16 P17.26 R60.1 | length 195.1
  L1 w0.3: R60.1@-84.5,-40 -83,-41.5 -83,-44.112 -77.592,-49.52 -76.32,-49.52 P13.16@-74.73,-51.11
  L6 w0.12: P17.26@-103.43,69.85 -104.68,68.6 -119.3,68.6 -121.665,66.235 ccw(c-121.58,66.15) -121.7,66.15 -121.7,30.355 -117.47,26.126 -117.47,19.228 cw(c-117.59,19.228) -117.505,19.143 -124.765,11.883 ccw(c-124.68,11.799) -124.8,11.799 -124.8,-29.386 -104.486,-49.7 -76.14,-49.7 P13.16@-74.73,-51.11
OLED_DC: P13.14 P17.28 | length 183.8
  L6 w0.12: -117.8,19.364 cw(c-117.92,19.364) -117.835,19.28 -125.095,12.02 ccw(c-125.01,11.935) -125.13,11.936 -125.13,-29.522 -104.152,-50.5 -79,-50.5 -78.5,-50 -76.6,-50 -76,-50.6 -76,-52.38 P13.14@-74.73,-53.65 ; -117.8,19.364 -117.8,25.989 -122.03,30.219 -122.03,66.721 cw(c-121.91,66.721) -121.995,66.805 -117.7,71.1 -104.72,71.1 P17.28@-103.43,72.39
OLED_RES: P13.15 P17.32 R61.1 | length 195.3
  L1 w0.3: R61.1@-85.934,-41.566 -85.934,-42.446 P13.15@-77.27,-51.11
  L6 w0.12: P17.32@-103.43,77.47 -104.7,76.2 -113.9,76.2 -122.33,67.77 ccw(c-122.245,67.685) -122.365,67.685 -122.365,30.08 -118.135,25.85 -118.135,19.503 cw(c-118.255,19.503) -118.17,19.419 -125.43,12.158 ccw(c-125.345,12.074) -125.465,12.075 -125.465,-29.661 -104.016,-51.11 P13.15@-77.27,-51.11
P0.95V: P11.1 R51.1 | length 7.2
  L1 w0.125: R51.1@-139.76,-4.6 -139.26,-4.1 P11.1@-132.72,-4.1
P0.95V_ADC: D17.2 R51.2 R52.1 U4.15 | length 28
  L1 w0.12: v1(-143.5,14.375) U4.15@-140.85,14.375
  L1 w0.125: R52.1@-146.36,-4.3 -146.06,-4.6 v1(-145,-4.6) R51.2@-141.36,-4.6
  L6 w0.125: v1(-145,-4.6) -145,-1.6 -145.7,-0.9 -145.7,7.5 -143.5,9.7 v1(-143.5,14.375)
P1.2V_EC: P9.1 R29.1 | length 7.3
  L1 w0.125: R29.1@-139.99,-24.42 P9.1@-132.72,-24.42
P1.2V_EC_ADC: D9.2 R29.2 R30.1 U1.14 | length 53.4
  L1 w0.12: v1(-157.4,15.025) U1.14@-155.85,15.025
  L1 w0.125: R30.1@-146.29,-24.85 -145.86,-24.42 v1(-145,-24.42) R29.2@-141.59,-24.42
  L6 w0.12: v1(-157.4,15.025) -158.775,15.025 -159.3,14.5 -159.3,5 -146.6,-7.7 -146.6,-22.82 v1(-145,-24.42)
P1.5V_ADC_AES: D12.2 R38.2 R39.1 U1.11 | length 32.9
  L1 w0.12: v1(-158.5,16.975) U1.11@-155.85,16.975
  L1 w0.125: R39.1@-173.36,1.2 -173.16,1 R38.2@-168.66,1
  L6 w0.12: v1(-172,1) -166.1,1 -162.8,4.3 -162.8,13.5 -159.325,16.975 v1(-158.5,16.975)
P1.5V_AES: P8.2 R38.1 | length 7.3
  L1 w0.12: R38.1@-167.06,1 P8.2@-159.72,1
P1.8V: C35.1 C45.1 P11.2 P16.18 R45.1 U14.16 | length 35.4
  L1 w0.125: R45.1@-139.76,0.9 -139.68,0.98 P11.2@-132.72,0.98
  L1 w0.25: P11.2@-132.72,0.98 -131.74,0 -118.35,0 -117.45,0.9 -115.6,0.9 -114.7,0 -113.65,0 -113.2,-0.45 v1(-113.2,-1) ; U14.16@-113.65,-2.225 -114.154,-2.225 -114.2,-2.179 C45.1@-114.2,-1 v1(-113.2,-1) ; v1(-111.65,0.25) C35.1@-111.65,-1 v1(-113.2,-1) ; v1(-104.35,-2.25) P16.18@-103,-2.25
P1.8V_ADC: D15.2 R45.2 R46.1 U4.16 | length 20.5
  L1 w0.12: v1(-142.4,13.725) U4.16@-140.85,13.725
  L1 w0.125: R46.1@-146.36,0.7 -146.16,0.9 v1(-145,0.9) R45.2@-141.36,0.9
  L6 w0.12: v1(-145,0.9) -142.4,3.5 v1(-142.4,13.725)
P1.8V_DUP: C37.1 P15.11 U13.8 | length 17.9
  L1 w0.3: U13.8@3.655,-60 3.655,-59.914 3.794,-59.775 C37.1@6.1,-59.775 6.75,-59.775 7.75,-58.775 7.75,-56.45 5.25,-53.95 5.25,-49.95 4.25,-48.95 P15.11@4.25,-47
P1.8V_SBY: P10.2 R35.1 | length 7.1
  L1 w0.125: R35.1@-139.84,-9.18 P10.2@-132.72,-9.18
P1.8V_SBY_ADC: D11.2 R35.2 R36.1 U1.15 | length 36.5
  L1 w0.12: v1(-158.5,14.375) U1.15@-155.85,14.375
  L1 w0.125: R36.1@-146.36,-8.8 v1(-145,-8.8) -143.921,-8.8 -143.879,-8.843 -141.778,-8.843 R35.2@-141.44,-9.18
  L6 w0.12: v1(-158.5,14.375) -158.5,5.45 ccw(c-158.38,5.45) -158.465,5.365 -146.456,-6.644 -145.035,-8.065 cw(c-145.12,-8.15) -145,-8.15 v1(-145,-8.8)
P1.8V_T: C36.1 C46.1 C47.1 P10.1 P16.9 R40.1 U12.16 U15.16 | length 35.9
  L1 w0.125: R40.1@-139.99,-14.3 -139.95,-14.26 P10.1@-132.72,-14.26
  L1 w0.25: P10.1@-132.72,-14.26 -126.66,-14.26 -120.473,-8.073 cw(c-120.296,-8.25) -120.296,-8 v1(-114.2,-8) C46.1@-114.2,-9 -114.2,-10.179 -114.154,-10.225 U15.16@-113.65,-10.225 ; v1(-114.2,15) C47.1@-114.2,14 -113.65,13.45 U12.16@-113.65,12.775 ; v1(-104.35,2.25) P16.9@-103,2.25
  L1 w0.3: C36.1@-111.65,2.025 v1(-110.725,2.025)
P1.8V_T_ADC: D13.2 R40.2 R41.1 U1.16 | length 40.2
  L1 w0.12: v1(-157.4,13.725) U1.16@-155.85,13.725
  L1 w0.125: R41.1@-146.29,-14.46 -146.13,-14.3 v1(-145,-14.3) R40.2@-141.59,-14.3
  L6 w0.12: v1(-157.4,13.725) -157.4,5.4 -144.1,-7.9 -144.1,-13.4 v1(-145,-14.3)
P2.5V_EC: P9.2 R49.1 | length 7.3
  L1 w0.125: R49.1@-139.99,-19.3 -139.95,-19.34 P9.2@-132.72,-19.34
P2.5V_EC_ADC: D16.2 R49.2 R50.1 U1.13 | length 50.2
  L1 w0.12: v1(-158.5,15.675) U1.13@-155.85,15.675
  L1 w0.125: R50.1@-146.29,-19.35 -146.24,-19.3 v1(-145,-19.3) R49.2@-141.59,-19.3
  L6 w0.12: v1(-158.5,15.675) -156.675,15.675 -154.8,13.8 -154.8,3.85 ccw(c-154.68,3.85) -154.765,3.765 -143.535,-7.465 cw(c-143.62,-7.55) -143.5,-7.55 -143.5,-17.75 cw(c-143.62,-17.75) -143.535,-17.835 v1(-145,-19.3)
P3.3V: C38.1 C39.1 C40.1 C41.1 C42.1 C44.1 P17.1 P17.17 R60.2 R61.2 R63.2 R64.2 R68.2 R69.2 R70.2 R72.2 R73.2 U12.1 U12.7 U12.10 U12.15 U14.1 U14.2 U14.7 U14.10 U15.1 U15.2 U15.7 U15.10 U16.1 U16.2 U16.7 U16.10 U16.16 | length 101.9
  L1 w0.12: U16.7@-119.846,1.375 U16.7@-119.35,1.375 U16.10@-113.65,1.375 ; U14.7@-119.35,-6.125 U14.10@-113.65,-6.125 -112.575,-6.125 R68.2@-110.3,-8.4 ; U12.7@-119.35,8.875 U12.10@-113.65,8.875 ; R69.2@-119.1,56.5 v1(-119.1,57.5) ; v1(-118.6,62.05) R63.2@-118.6,62.8 ; v1(-115.7,56.5) R70.2@-114.8,56.5 ; v1(-114.6,62.05) R64.2@-114.6,62.8
  L1 w0.2: v1(-111.6,-19.4) -106.5,-24.5 -100,-24.5 R60.2@-85.631,-38.869 -85.631,-39 R61.2@-87.066,-40.434
  L1 w0.25: v1(-121.9,-14.125) U15.7@-119.35,-14.125 ; v1(-121.9,-6.125) U14.7@-119.35,-6.125 ; v1(-121.9,1.375) U16.7@-119.846,1.375 ; v1(-121.9,8.875) U12.7@-119.35,8.875 ; v1(-121,-17.5) R73.2@-120,-17.5 ; v1(-120.846,-10.875) U15.2@-119.35,-10.875 ; v1(-120.846,-2.896) -120.025,-2.875 U14.2@-119.35,-2.875 ; v1(-120.8,4.605) -120.025,4.625 U16.2@-119.35,4.625 ; v1(-119.846,6.5) C41.1@-118.846,6.5 ; v1(-119.8,-9) C39.1@-118.8,-9 -119.35,-9.55 U15.1@-119.35,-10.225 ; v1(-119.8,-1) C40.1@-118.8,-1 -118.8,-2.179 -118.846,-2.225 U14.1@-119.35,-2.225 ; U16.1@-119.35,5.275 -118.846,5.275 -118.8,5.321 C41.1@-118.8,6.5 ; U12.1@-119.35,12.775 -119.35,13.45 C42.1@-118.8,14 v1(-118.8,15) ; U15.10@-113.65,-14.125 v1(-111.1,-14.125) -111.1,-16.025 R72.2@-111.125,-16.05 ; U16.16@-113.65,5.275 -114.154,5.275 -114.2,5.321 C44.1@-114.2,6.5 v1(-113.2,6.5) ; U12.15@-113.65,12.125 v1(-111.1,12.125)
  L1 w0.4: C38.1@-111,39.15 -106.19,39.15 P17.1@-105.97,39.37
P3.3V_A_ADC: D10.2 R33.2 R34.1 U1.10 | length 47.1
  L1 w0.12: v1(-157.4,17.625) U1.10@-155.85,17.625
  L1 w0.125: R34.1@-173.36,-13.8 -173.06,-14.1 v1(-172,-14.1) R33.2@-168.66,-14.1
  L6 w0.12: v1(-172,-14.1) -172.8,-13.3 -172.8,3.2 -164.6,11.4 -164.6,13.5 -159.825,18.275 -159.1,18.275 -158.45,17.625 v1(-157.4,17.625)
P3.3V_A_SENSE: P6.1 R33.1 | length 7.4
  L1 w0.12: R33.1@-167.06,-14.1 -166.92,-14.24 P6.1@-159.72,-14.24
P3.3V_ADC: D14.2 R43.2 R44.1 U1.12 | length 38.4
  L1 w0.12: v1(-157.4,16.325) U1.12@-155.85,16.325
  L1 w0.125: R44.1@-173.36,-4.3 -173.14,-4.08 v1(-172,-4.08) R43.2@-168.66,-4.08
  L6 w0.12: v1(-172,-4.08) -164.18,-4.08 -162.3,-2.2 -162.3,13.2 -159.175,16.325 v1(-157.4,16.325)
P3.3V_SENSE: P8.1 P15.7 R43.1 R66.1 | length 238.5
  L1 w0.12: R43.1@-167.06,-4.08 P8.1@-159.72,-4.08 -150.43,-4.08 -148.75,-2.4 v1(-128.3,-2.4) ; v1(-108.6,-50.8) -89.2,-50.8 -80.25,-59.75 -69.65,-59.75 -68.9,-60.5 -56.7,-60.5 -47.37,-69.83 ccw(c-47.285,-69.745) -47.285,-69.865 -8.685,-69.865 cw(c-8.685,-69.985) -8.6,-69.9 R66.1@-5,-73.5
  L1 w0.3: v1(1,-49.6) 2.25,-48.35 P15.7@2.25,-47
  L6 w0.12: v1(-128.3,-2.4) -128.3,-30.5 -110.55,-48.25 -110.55,-48.85 v1(-108.6,-50.8)
  L6 w0.3: R66.1@-5,-73.5 1,-67.5 v1(1,-49.6)
P3.3VA: C1.1 C2.1 C9.1 C10.1 C11.1 C12.1 C18.1 C19.1 C27.1 D6.1 D7.1 D8.1 D9.1 D10.1 D11.1 D12.1 D13.1 D14.1 D15.1 D16.1 D17.1 D18.1 P14.1 R2.2 R14.2 R62.2 U1.5 U4.5 U4.7 U4.8 U5.5 U6.14 U7.5 U8.5 U9.5 U10.1 U10.4 | length 84.2
  L1 w0.12: v1(-163.9,18.5) -163.45,18.05 U6.14@-162.825,18.05 ; v1(-163.3,13.5) -163.3,14.4 R14.2@-163.2,14.5 ; U4.7@-135.15,17.625 -134.075,17.625 -133.75,17.95 -133.75,18.275 ; U4.8@-135.15,18.275 -133.75,18.275 ; C9.1@-132.5,16.8 -132.5,17.58 -133.195,18.275 -133.75,18.275
  L1 w0.15: -148.425,27.925 -148.425,28.005 R62.2@-146.73,29.7 ; R2.2@-56.7,-51.55 v1(-55.615,-51.55)
  L1 w0.2: U5.5@-10.4,-54.75 -8.85,-54.75 C12.1@-8.4,-54.3 v1(-7,-54.3) ; U7.5@-10.4,-50.65 -10.15,-50.65 -9.6,-50.1 C11.1@-8.4,-50.1 v1(-7,-50.1)
  L1 w0.3: U1.5@-150.15,16.325 -148.725,16.325 -148.25,16.8 C1.1@-147.5,16.8 -146,16.8 -145.65,17.15 C10.1@-145.5,17.15 v1(-145.5,18.275) ; U4.5@-135.15,16.325 -133.099,16.325 ccw(c-133.099,16.625) -132.888,16.412 C9.1@-132.5,16.8 -132.2,17.1 -130.95,17.1 C2.1@-130.5,17.15 v1(-130.5,18.4)
  L1 w0.4: D18.1@-170.86,-31.775 v1(-169.81,-31.775) ; D8.1@-170.86,-26.775 v1(-169.81,-26.775) ; D6.1@-170.86,-21.775 v1(-169.81,-21.775) ; D10.1@-170.86,-16.275 v1(-169.81,-16.275) ; D14.1@-170.79,-6.725 v1(-169.74,-6.725) ; D12.1@-170.79,-1.475 v1(-169.74,-1.475) ; U8.5@-157.2,84.25 -157.2,83.3 C19.1@-155.9,82 v1@-155.9,81 ; U10.4@-149.53,25.975 -147.9,25.975 ; U10.1@-149.53,27.925 -148.425,27.925 -147.9,27.4 -147.9,25.975 ; v1(-149.05,23.8) C27.1@-147.95,23.8 ; v1(-147.95,22.5) C27.1@-147.95,23.8 ; U9.5@-147.9,86.15 -147.8,86.25 -147.8,88.4 C18.1@-147.7,88.5 v1(-146.7,88.5) ; v1(-146.73,23.8) C27.1@-147.95,23.8 ; D11.1@-143.86,-11.275 v1(-142.81,-11.275) ; D17.1@-143.86,-6.275 v1(-142.81,-6.275) ; D9.1@-143.79,-26.9 v1(-142.74,-26.9) ; D16.1@-143.79,-21.725 v1(-142.74,-21.725) ; D13.1@-143.79,-16.725 v1(-142.74,-16.725) ; D15.1@-143.79,-1.275 v1(-142.74,-1.275) ; v1(-132.825,24.95) D7.1@-132.825,26 ; C27.1@-147.95,23.8 -147.9,23.85 -147.9,25.975
  L6 w0.15: v1(-55.615,-51.55) -55.615,-56.515 -58.7,-59.6 -58.7,-62.8 v1(-52.3,-69.2)
  other v1: -148,20.9 -146.05,22.6 -148.3,25.4 -147.4,26.6 -155.9,80.972
P5.0V: C3.1 C4.1 C8.1 C16.2 C21.1 C26.1 C31.1 C32.1 C43.1 C48.1 D5.2 D19.1 L2.2 P13.2 P17.2 P17.4 Q4.4 R9.2 R32.2 R53.2 U2.1 U2.6 U2.7 U2.15 U2.16 U2.20 U3.14 U10.2 U10.7 | length 159.6
  L1 w0.12: C21.1@-138.5,29 -138.5,30 ; R53.2@-138.5,31 -138.5,30 ; C32.1@-130.4,39.45 -130.25,39.45 -129.4,40.3 -127.3,40.3 -125.9,38.9 -125.9,31.413 -127.313,30 -138.5,30
  L1 w0.3: D19.1@-180,-62.95 -180,-60.8 -179,-59.8 -124.1,-59.8 v1(-119.8,-55.5) ; U10.7@-145.33,27.275 -144.195,27.275 v1(-143.6,27.87) ; P13.2@-74.73,-68.89 -70.45,-73.17 -70.45,-73.95 C48.1@-70.15,-74.25
  L1 w0.35: Q4.4@-160.4,75.58 -159.7,75.58 ; R9.2@-49.6,-52.4 -49.275,-52.075 -48.8,-52.075 ; v1(-48.8,-49.5) C43.1@-48.8,-50.65 -48.8,-52.075 ; U2.7@-47.125,-55.975 v1(-48.4,-55.975) -48.4,-55.53 -48.195,-55.325 U2.6@-47.125,-55.325 ; U2.1@-47.125,-52.075 -48.8,-52.075 ; U2.15@-41.475,-55.325 -39.175,-55.325 C3.1@-39.1,-55.25 ; U2.16@-41.475,-54.675 -39.825,-54.675 -39.25,-55.25 C3.1@-39.1,-55.25 ; U2.20@-41.475,-52.075 -40.605,-52.075 -39.525,-50.995 -39.525,-50.925 -39.25,-50.65 C4.1@-39.1,-50.65 v1(-38,-50.65) ; v1(-38,-55.8) -38.275,-55.525 -38.825,-55.525 C3.1@-39.1,-55.25 ; v1@-38,-54.675 -38,-54.7 -38.275,-54.975 -38.825,-54.975 C3.1@-39.1,-55.25 ; v1(-34.45,-63.9) D5.2@-32.25,-63.9 v1(-32.25,-62.2) ; v1(-13.45,-64.9) U3.14@-13.45,-61.825
  L1 w0.4: v1(-153.5,28.35) C26.1@-151.93,28.35 ; v1(-151.93,29.4) C26.1@-151.93,28.35 ; v1(-150.75,29.1) -151.25,28.6 -151.68,28.6 C26.1@-151.93,28.35 ; U10.2@-149.53,27.275 -150.96,27.275 -151.3,27.615 -151.3,27.87 -151.78,28.35 C26.1@-151.93,28.35
  L1 w0.5: R32.2@-156.5,76.78 v1(-156.5,77.88) ; -155.1,76.78 v1(-155.1,78.2) ; v1(-153.9,78.2) C16.2@-153.9,77.03 v1(-152.6,77.03)
  L1 w0.7: -159.7,75.58 -158.5,76.78 R32.2@-156.5,76.78 -155.1,76.78 -154.3,76.78 -154.05,77.03 C16.2@-153.9,77.03
  L1 w0.8: L2.2@-134.815,42.8 -134.815,41.59 -133.2,39.975 -133.2,39.5 C31.1@-133.15,39.45 ; v1(-134.1,39.45) C31.1@-133.15,39.45 ; v1(-132.2,40.635) -132.2,39.45 ; v1(-130.4,40.635) C32.1@-130.4,39.45 v1(-131.6,39.45) -132.2,39.45 ; C32.1@-130.25,39.45 v1(-128.9,39.45) ; C31.1@-133.15,39.45 C31.1@-133,39.45 -132.2,39.45
  other v1: -38,-54.688 -40.065,-51.535 -150.9,27.8
P5V_DUT_ISENSE: C17.2 Q5.4 R26.1 U8.3 | length 16.3
  L1 w0.15: R26.1@-163.25,81.5 -163.25,82.5 -162.95,82.8 -161.18,82.8 -158.78,85.2 -156.7,85.2 -155.75,86.15 U8.3@-154.8,86.15
  L1 w0.35: Q5.4@-160.4,78.68 -160.4,79.6
  L1 w0.6: C17.2@-160.95,81.5 -160.95,80.15 -160.4,79.6
  L1 w0.7: R26.1@-163.25,81.5 C17.2@-160.95,81.5
P5V_LCD: P4.2 R54.1 | length 7.3
  L1 w0.12: R54.1@-167.06,-29.42 P4.2@-159.72,-29.42
P5V_LCD_ADC: D18.2 R54.2 R55.1 U4.14 | length 83.1
  L1 w0.12: v1(-142.4,15.025) U4.14@-140.85,15.025
  L1 w0.125: R55.1@-173.36,-29.8 v1(-172,-29.8) -171.031,-29.8 -170.989,-29.758 -168.998,-29.758 R54.2@-168.66,-29.42
  L6 w0.12: v1(-172,-29.8) -170.9,-29.8 -163.6,-22.5 -157.5,-22.5 -153.9,-26.1 -142.9,-26.1 -140.8,-24 -140.8,14.2 -141.625,15.025 v1(-142.4,15.025)
P12V: C22.1 C23.2 C24.2 C25.1 JP1.1 U11.1 U11.8 | length 53.4
  L1 w0.12: v1(-140.96,31.745) -139.805,32.9 U11.1@-139.805,33.6
  L1 w0.8: JP1.1@-179.5,41.7 JP1.1@-173.4,41.7 -167.825,41.7 -165,38.875 C22.1@-165,38.075 -160.525,38.075 -157.334,41.266 cw(c-156.769,40.7) -156.769,41.5 -150.541,41.5 cw(c-150.541,40.7) -149.975,41.266 -147.544,38.835 ccw(c-146.978,39.4) -146.98,38.6 -142,38.6 v1(-140.96,38.6) U11.8@-139.805,38.6
  L6 w0.12: v1(-140.96,31.745) v1(-140.96,38.6)
P_AVA: P5.1 R27.1 | length 7.3
  L1 w0.12: R27.1@-167.06,-24.4 P5.1@-159.72,-24.4
P_AVA_ADC: D8.2 R27.2 R28.1 U1.9 | length 60.2
  L1 w0.12: v1(-158.496,18.279) -158.494,18.277 U1.9@-155.85,18.275 U1.9@-155.85,18.275
  L1 w0.125: R28.1@-173.36,-24.3 -173.26,-24.4 v1(-172,-24.4) R27.2@-168.66,-24.4
  L6 w0.12: v1(-172,-24.4) -172,-20.9 -174.2,-18.7 -174.2,6.4 -161.8,18.8 -159.017,18.8 v1(-158.496,18.279)
P_BL: P5.2 R22.1 | length 7.3
  L1 w0.12: R22.1@-167.06,-19.32 P5.2@-159.72,-19.32
P_BL_ADC: D6.2 R22.2 R23.1 U4.13 | length 80.9
  L1 w0.12: v1(-143.5,15.675) U4.13@-140.85,15.675
  L1 w0.125: R23.1@-173.36,-19.3 -173.34,-19.32 v1(-172,-19.32) R22.2@-168.66,-19.32
  L6 w0.12: v1(-172,-19.32) -168.28,-19.32 -166,-21.6 -156.52,-21.6 -153.02,-25.1 -143.7,-25.1 -141.5,-22.9 -141.5,13.8 -142.075,14.375 -142.675,14.375 -143.5,15.2 v1(-143.5,15.675)
PROG_3V: Q9.1 Q10.3 R69.1 | length 5.3
  L1 w0.12: R69.1@-117.5,56.5 -117.5,57.295 -117.09,57.705 -117.09,58.16 -116.9,58.35 Q9.1@-116.55,58.35 -116.2,58.35 -115.55,59 Q10.3@-113.95,59
PROG_B: P16.6 Q9.3 | length 90.8
  L1 w0.12: Q9.3@-118.45,59 -118.8,59 -119.1,58.7 -120.4,57.4 -120.4,55.8 -119.8,55.2 -112.7,55.2 -112,55.9 -112,56.7 -110.8,57.9 -107.1,57.9 -106.84,58.16 -104.2,58.16 -103.96,58.4 v1(-102.1,58.4) ; v1(-108.135,5.75) -106.135,3.75 P16.6@-103,3.75
  L6 w0.12: v1(-108.135,5.75) -109.165,6.78 cw(c-109.08,6.865) -109.2,6.865 -109.2,28.55 cw(c-109.08,28.55) -109.165,28.635 -107.735,30.065 cw(c-107.65,29.98) -107.65,30.1 -102.762,30.1 -100.5,32.362 -100.5,56.8 v1(-102.1,58.4)
PROG_B_3V: P17.18 Q10.1 R70.1 | length 11.7
  L1 w0.12: R70.1@-113.2,56.5 -113.2,57.195 -112.59,57.805 -112.59,58.16 -112.4,58.35 Q10.1@-112.05,58.35 -107.25,58.35 -107.1,58.5 -104.62,58.5 P17.18@-103.43,59.69